# Altium PCB 4_layers_Testboard.PcbDoc (part 3 of 3)
Units mil, origin at the board's own origin, x right, y up, seen from the top; angles counter-clockwise.
Board outline 5500 x 5000 mil, 4 copper layers (Top layer, Inner Layer 1, Inner Layer 2, Bottom Layer), stack 13.956 mil thick; 137 components, 95 nets, 1379 pads, 755 vias.
Unrouted connection lines stored in the file: 363.
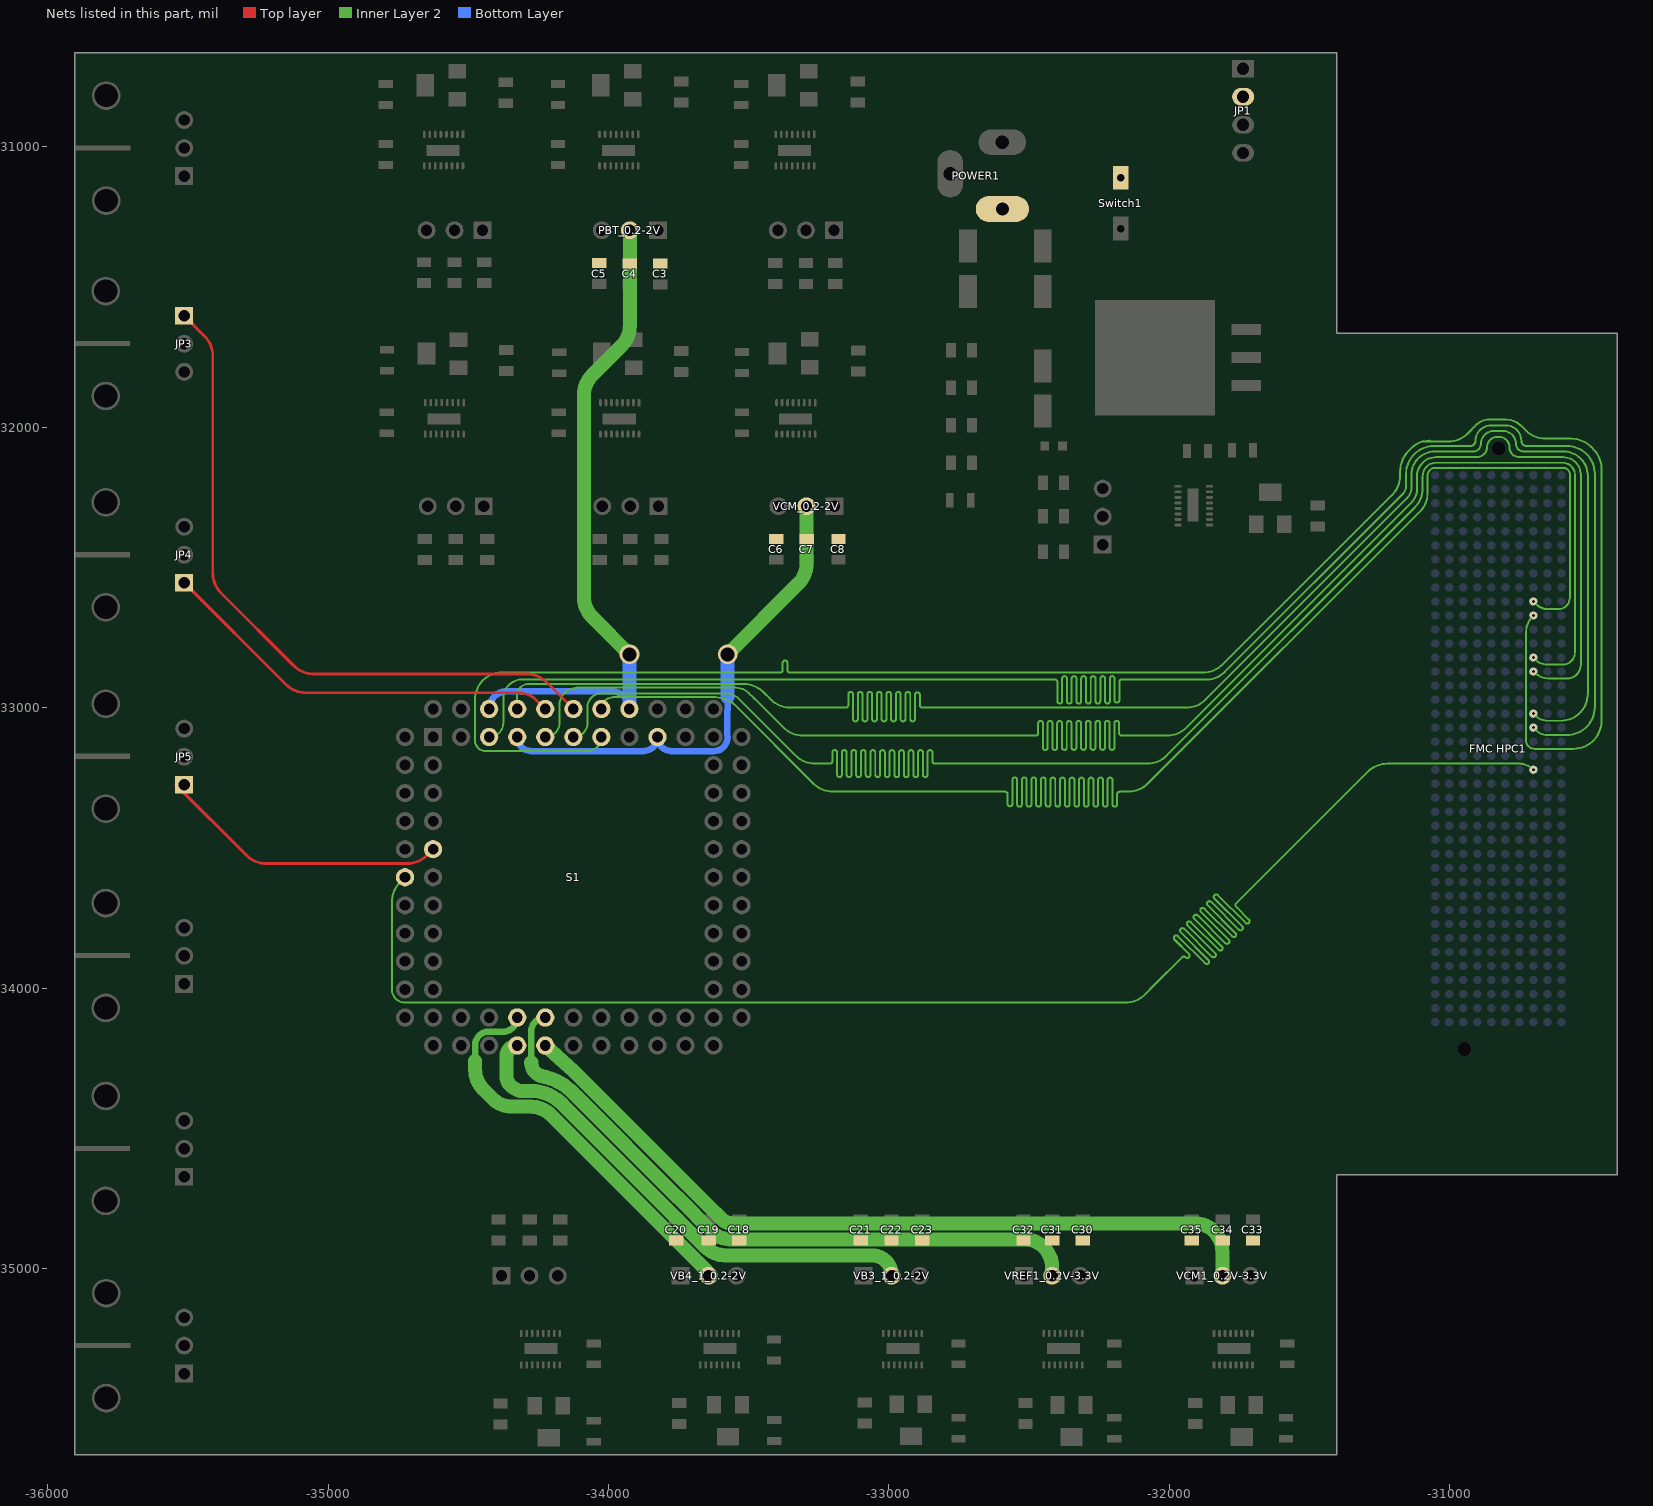
[diagram p5: the nets of this part, all layers, seen from the top]

## Via types
v1: diameter 25, hole 10, Top layer to Bottom Layer, 399 vias
v2: diameter 16, hole 8, Top layer to Bottom Layer, 336 vias
v3: diameter 70, hole 50, Top layer to Bottom Layer, 15 vias
v4: diameter 50, hole 35, Top layer to Bottom Layer, 2 vias
v5: diameter 32, hole 16, Top layer to Bottom Layer, 2 vias
v6: diameter 25, hole 10, Top layer to Bottom Layer, tented both sides, 1 vias

## Nets (pads, with @x,y where several pads share a name; then routed paths per layer and width w, separated by ;. In a path a pad name is that pad's centre, name@x,y a point inside that pad or via, vN(x,y) a via of type N, cw(c..) or ccw(c..) an arc to the next point about the centre after c; other vN are vias at no path point) (continued)
PBT0.2-2V: C3.2 C4.1 C5.2 PBT_0.2-2V.2 S1.39 S1.49 | length 2403.6
  Top layer w10: C3.2@-33816.94,-31415.2 cw(c-33816.94,-31417.94) C3.2@-33815,-31416
  Inner Layer 2 w50: v3(-33925,-32810) -34057.99,-32677.01 cw(c-33987.28,-32606.3) -34087.28,-32606.3 -34087.28,-31885.14 cw(c-33987.28,-31885.14) -34057.99,-31814.43 -33953.29,-31709.73 ccw(c-34024,-31639.02) -33924,-31639.02 PBT_0.2-2V.2@-33924,-31298
  Bottom Layer w23: S1.49@-34425.44,-33005 cw(c-34361.96,-33005) -34361.96,-32941.52 -34309,-32941.52 -33998.44,-32941.52 -33988.92,-32941.52 cw(c-33988.92,-33005) S1.39@-33925.44,-33005
  Bottom Layer w50: S1.39@-33925.44,-33005 v3@-33925.44,-32810
POWER: JP1.2 POWER1.1 Switch1.1
TIA_CIN0: "FMC HPC1.C11" S1.42 | length 6998.5
  Inner Layer 2 w7: S1.42@-34025.44,-33105 cw(c-34075.44,-33105) -34075.44,-33155 -34438.41,-33155 cw(c-34438.41,-33117.41) -34462.69,-33146.1 cw(c-34438.41,-33117.41) -34476,-33117.41 -34476,-32971 cw(c-34380,-32971) -34380,-32875 -33391,-32875 -33387.5,-32875 ccw(c-33387.5,-32866.5) -33379,-32866.5 -33379,-32840.5 cw(c-33370.5,-32840.5) -33362,-32840.5 -33362,-32866.5 ccw(c-33353.5,-32866.5) -33353.5,-32875 -33234,-32875 -31880.42,-32875 ccw(c-31880.42,-32775) -31809.71,-32845.71 -31206.29,-32242.29 ccw(c-31277,-32171.58) -31177,-32171.58 -31177,-32156.42 cw(c-31077,-32156.42) -31147.71,-32085.71 -31136,-32074 cw(c-31073.23,-32136.77) -31073.23,-32048 ; -31098,-32052 -31007.59,-32052 ccw(c-31007.59,-31952) -30950.17,-32033.87 ccw(c-31007.59,-31952) -30936.88,-32022.71 -30907.85,-31993.67 cw(c-30858,-32043.43) -30858,-31973 -30799.85,-31973 cw(c-30800.16,-32051.09) -30741.71,-31999.3 -30729.3,-32011.71 ccw(c-30658.59,-31941) -30658.59,-32041 -30567.16,-32041 cw(c-30567.16,-32141) -30496.45,-32070.29 -30484.96,-32081.78 cw(c-30559,-32149) -30459,-32149 -30459,-33047 cw(c-30559,-33047) -30559,-33147 -30698,-33147 cw(c-30698,-33117) -30728,-33117 -30728,-32731 cw(c-30647.15,-32731) -30704.32,-32673.83 v1(-30702,-32671.51)
TIA_CIN1: "FMC HPC1.C18" S1.47 | length 6973.1
  Inner Layer 2 w7: S1.47@-34325.44,-33005 -34325.44,-32956.26 cw(c-34285.18,-32956.26) -34285.18,-32916 -33517.98,-32916 cw(c-33517.98,-33016) -33468.01,-32929.38 cw(c-33517.98,-33016) -33461.3,-32933.61 cw(c-33517.98,-33016) -33451.52,-32941.28 cw(c-33517.98,-33016) -33447.27,-32945.29 -33421.85,-32970.71 ccw(c-33351.14,-32900) -33353.02,-32999.98 ccw(c-33351.14,-32900) -33351.14,-33000 -33157.02,-33000 -33153.52,-33000 ccw(c-33153.52,-32991.5) -33145.02,-32991.5 -33145.02,-32952.53 cw(c-33136.52,-32952.53) -33128.02,-32952.53 -33128.02,-33040.83 ccw(c-33119.52,-33040.83) -33111.02,-33040.83 -33111.02,-32952.53 cw(c-33102.52,-32952.53) -33094.02,-32952.53 -33094.02,-33040.83 ccw(c-33085.52,-33040.83) -33077.02,-33040.83 -33077.02,-32952.53 cw(c-33068.52,-32952.53) -33060.02,-32952.53 -33060.02,-33040.83 ccw(c-33051.52,-33040.83) -33043.02,-33040.83 -33043.02,-32952.53 cw(c-33034.52,-32952.53) -33026.02,-32952.53 -33026.02,-33040.83 ccw(c-33017.52,-33040.83) -33009.02,-33040.83 -33009.02,-32952.53 cw(c-33000.52,-32952.53) -32992.02,-32952.53 -32992.02,-33040.83 ccw(c-32983.52,-33040.83) -32975.02,-33040.83 -32975.02,-32952.53 cw(c-32966.52,-32952.53) -32958.02,-32952.53 -32958.02,-33040.83 ccw(c-32949.52,-33040.83) -32941.02,-33040.83 -32941.02,-32952.53 cw(c-32932.52,-32952.53) -32924.02,-32952.53 -32924.02,-33040.83 ccw(c-32915.52,-33040.83) -32907.02,-33040.83 -32907.02,-32954.05 cw(c-32898.52,-32954.05) -32890.02,-32954.05 -32890.02,-32991.5 ccw(c-32881.52,-32991.5) -32881.52,-33000 -32777.55,-33000 -31940.42,-33000 ccw(c-31940.42,-32900) -31869.71,-32970.71 -31153.26,-32254.26 ccw(c-31192.53,-32215) -31137,-32215 -31137,-32170 cw(c-31054,-32170) -31054,-32087 -30916.46,-32087 ccw(c-30916.46,-32059.94) -30889.93,-32065.31 ccw(c-30916.46,-32059.94) -30889.4,-32059.94 cw(c-30843.45,-32059.94) -30843.45,-32014 -30810,-32014 cw(c-30810,-32060) -30765.37,-32048.84 cw(c-30810,-32060) -30764,-32060 ccw(c-30737,-32060) -30737,-32087 -30594,-32087 cw(c-30594,-32173) -30508,-32173 -30508,-32951 cw(c-30604,-32951) -30604,-33047 -30651,-33047 cw(c-30651,-32985.41) -30694.55,-33028.96 v1(-30702,-33021.51)
TIA_CIN2: "FMC HPC1.C10" S1.41 | length 7015.4
  Inner Layer 2 w7: S1.41@-34025.44,-33005 cw(c-33983.44,-33005) -33983.44,-32963 -33618.42,-32963 cw(c-33618.42,-33063) -33547.71,-32992.29 -33269.29,-33270.71 ccw(c-33198.58,-33200) -33198.58,-33300 -32815,-33300 -32585.5,-33300 cw(c-32585.5,-33308.5) -32577,-33308.5 -32577,-33343.6 ccw(c-32568.5,-33343.6) -32560,-33343.6 -32560,-33257.97 cw(c-32551.5,-33257.97) -32543,-33257.97 -32543,-33344.99 ccw(c-32534.5,-33344.99) -32526,-33344.99 -32526,-33257.97 cw(c-32517.5,-33257.97) -32509,-33257.97 -32509,-33344.99 ccw(c-32500.5,-33344.99) -32492,-33344.99 -32492,-33257.97 cw(c-32483.5,-33257.97) -32475,-33257.97 -32475,-33344.99 ccw(c-32466.5,-33344.99) -32458,-33344.99 -32458,-33257.97 cw(c-32449.5,-33257.97) -32441,-33257.97 -32441,-33344.99 ccw(c-32432.5,-33344.99) -32424,-33344.99 -32424,-33257.97 cw(c-32415.5,-33257.97) -32407,-33257.97 -32407,-33344.99 ccw(c-32398.5,-33344.99) -32390,-33344.99 -32390,-33257.97 cw(c-32381.5,-33257.97) -32373,-33257.97 -32373,-33344.99 ccw(c-32364.5,-33344.99) -32356,-33344.99 -32356,-33257.97 cw(c-32347.5,-33257.97) -32339,-33257.97 -32339,-33344.99 ccw(c-32330.5,-33344.99) -32322,-33344.99 -32322,-33257.97 cw(c-32313.5,-33257.97) -32305,-33257.97 -32305,-33344.99 ccw(c-32296.5,-33344.99) -32288,-33344.99 -32288,-33257.97 cw(c-32279.5,-33257.97) -32271,-33257.97 -32271,-33344.99 ccw(c-32262.5,-33344.99) -32254,-33344.99 -32254,-33257.97 cw(c-32245.5,-33257.97) -32237,-33257.97 -32237,-33344.99 ccw(c-32228.5,-33344.99) -32220,-33344.99 -32220,-33257.97 cw(c-32211.5,-33257.97) -32203,-33257.97 -32203,-33344.99 ccw(c-32194.5,-33344.99) -32186,-33344.99 -32186,-33308.5 cw(c-32177.5,-33308.5) -32177.5,-33300 -32174,-33300 -32147.42,-33300 ccw(c-32147.42,-33200) -32076.71,-33270.71 -31105.46,-32299.46 ccw(c-31166.91,-32238) -31080,-32238 -31080,-32174 cw(c-31051,-32174) -31051,-32145 -30596,-32145 cw(c-30596,-32169) -30572,-32169 -30572,-32608 cw(c-30613,-32608) -30604.55,-32648.12 cw(c-30606.56,-32638.32) -30605.15,-32648.22 -30651.84,-32648.01 cw(c-30651.84,-32590.9) -30651.89,-32648.01 cw(c-30651.84,-32590.9) -30652.07,-32648.01 cw(c-30651.84,-32590.9) -30692.23,-32631.28 ; v1(-30702,-32621.51) -30692.23,-32631.28 ; -30655.85,-32648.33 cw(c-30655.85,-32601.65) -30688.86,-32634.66 -30692.23,-32631.28
TIA_CIN3: "FMC HPC1.C15" S1.46 | length 6969.6
  Inner Layer 2 w7: S1.46@-34225.44,-33105 ccw(c-34225.44,-33054.56) -34175,-33054.56 -34175,-32992 cw(c-34112,-32992) -34112,-32929 -33547,-32929 cw(c-33547,-32996.6) -33499.22,-32948.78 -33482.29,-32965.71 ccw(c-33411.58,-32895) -33473.11,-32973.83 -33376.23,-33070.71 ccw(c-33305.52,-33000) -33305.52,-33100 -32480,-33100 -32476.5,-33100 ccw(c-32476.5,-33091.5) -32468,-33091.5 -32468,-33056.14 cw(c-32459.5,-33056.14) -32451,-33056.14 -32451,-33142.61 ccw(c-32442.5,-33142.61) -32434,-33142.61 -32434,-33056.14 cw(c-32425.5,-33056.14) -32417,-33056.14 -32417,-33142.61 ccw(c-32408.5,-33142.61) -32400,-33142.61 -32400,-33056.14 cw(c-32391.5,-33056.14) -32383,-33056.14 -32383,-33142.61 ccw(c-32374.5,-33142.61) -32366,-33142.61 -32366,-33056.14 cw(c-32357.5,-33056.14) -32349,-33056.14 -32349,-33142.61 ccw(c-32340.5,-33142.61) -32332,-33142.61 -32332,-33056.14 cw(c-32323.5,-33056.14) -32315,-33056.14 -32315,-33142.61 ccw(c-32306.5,-33142.61) -32298,-33142.61 -32298,-33056.14 cw(c-32289.5,-33056.14) -32281,-33056.14 -32281,-33142.61 ccw(c-32272.5,-33142.61) -32264,-33142.61 -32264,-33056.14 cw(c-32255.5,-33056.14) -32247,-33056.14 -32247,-33142.61 ccw(c-32238.5,-33142.61) -32230,-33142.61 -32230,-33056.14 cw(c-32221.5,-33056.14) -32213,-33056.14 -32213,-33142.61 ccw(c-32204.5,-33142.61) -32196,-33142.61 -32196,-33056.14 cw(c-32187.5,-33056.14) -32179,-33056.14 -32179,-33091.5 ccw(c-32170.5,-33091.5) -32170.5,-33100 -32027.16,-33100 -32009.42,-33100 ccw(c-32009.42,-33000) -31938.71,-33070.71 -31137.51,-32269.51 ccw(c-31187.01,-32220) -31117,-32220 -31117,-32175 cw(c-31049,-32175) -31049,-32107 -30903,-32107 ccw(c-30903,-32071) -30867,-32071 cw(c-30831,-32071) -30831,-32035 -30824,-32035 cw(c-30824,-32072) -30787,-32072 ccw(c-30752,-32072) -30752,-32107 -30596,-32107 cw(c-30596,-32170) -30533,-32170 -30533,-32847 cw(c-30583,-32847) -30583,-32897 -30640.47,-32897 cw(c-30640.47,-32809.98) v1(-30702,-32871.51)
TIA_CIN4: "FMC HPC1.C19" S1.50 | length 6973.7
  Inner Layer 2 w7: S1.50@-34425.44,-33105 ccw(c-34425.44,-33054.56) -34375,-33054.56 -34375,-32967 cw(c-34308,-32967) -34308,-32900 -32428.39,-32900 -32407.89,-32900 cw(c-32407.89,-32908.5) -32399.39,-32908.5 -32399.39,-32976.85 ccw(c-32390.89,-32976.85) -32382.39,-32976.85 -32382.39,-32896.5 cw(c-32373.89,-32896.5) -32365.39,-32896.5 -32365.39,-32976.85 ccw(c-32356.89,-32976.85) -32348.39,-32976.85 -32348.39,-32896.5 cw(c-32339.89,-32896.5) -32331.39,-32896.5 -32331.39,-32976.85 ccw(c-32322.89,-32976.85) -32314.39,-32976.85 -32314.39,-32896.5 cw(c-32305.89,-32896.5) -32297.39,-32896.5 -32297.39,-32976.85 ccw(c-32288.89,-32976.85) -32280.39,-32976.85 -32280.39,-32896.5 cw(c-32271.89,-32896.5) -32263.39,-32896.5 -32263.39,-32976.85 ccw(c-32254.89,-32976.85) -32246.39,-32976.85 -32246.39,-32896.5 cw(c-32237.89,-32896.5) -32229.39,-32896.5 -32229.39,-32976.85 ccw(c-32220.89,-32976.85) -32212.39,-32976.85 -32212.39,-32896.5 cw(c-32203.89,-32896.5) -32195.39,-32896.5 -32195.39,-32973.78 ccw(c-32186.89,-32973.78) -32178.39,-32973.78 -32178.39,-32908.5 cw(c-32169.89,-32908.5) -32169.89,-32900 -32118.82,-32900 -31867.18,-32900 ccw(c-31867.18,-32807.82) -31802,-32873 -31168.73,-32239.73 ccw(c-31199.46,-32209) -31156,-32209 -31156,-32167 cw(c-31056,-32167) -31056,-32067 -30926,-32067 ccw(c-30926,-32050) -30909,-32050 cw(c-30853,-32050) -30853,-31994 -30800,-31994 cw(c-30800,-32049) -30745,-32049 ccw(c-30727,-32049) -30727,-32067 -30583,-32067 cw(c-30583,-32167) -30483,-32167 -30483,-32998 cw(c-30583,-32998) -30583,-33098 -30652,-33098 cw(c-30652,-33041.24) -30692.14,-33081.37 v1(-30702,-33071.51)
TIA_CIN5: "FMC HPC1.C14" S1.44 | length 7001.7
  Inner Layer 2 w7: S1.44@-34104.29,-33083.85 S1.44@-34125.44,-33105 ccw(c-34125.44,-33054.56) -34075,-33054.56 -34075,-32998.62 cw(c-34026.38,-32998.62) -34026.38,-32950 -33580,-32950 cw(c-33580,-33012.77) -33535.64,-32968.36 ; -33535.62,-32968.38 -33333.29,-33170.71 ccw(c-33262.58,-33100) -33262.58,-33200 -33213.83,-33200 -33210.33,-33200 ccw(c-33210.33,-33191.5) -33201.83,-33191.5 -33201.83,-33160.11 cw(c-33193.33,-33160.11) -33184.83,-33160.11 -33184.83,-33239.29 ccw(c-33176.33,-33239.29) -33167.83,-33239.29 -33167.83,-33160.11 cw(c-33159.33,-33160.11) -33150.83,-33160.11 -33150.83,-33239.29 ccw(c-33142.33,-33239.29) -33133.83,-33239.29 -33133.83,-33160.11 cw(c-33125.33,-33160.11) -33116.83,-33160.11 -33116.83,-33239.29 ccw(c-33108.33,-33239.29) -33099.83,-33239.29 -33099.83,-33160.11 cw(c-33091.33,-33160.11) -33082.83,-33160.11 -33082.83,-33239.29 ccw(c-33074.33,-33239.29) -33065.83,-33239.29 -33065.83,-33160.11 cw(c-33057.33,-33160.11) -33048.83,-33160.11 -33048.83,-33239.29 ccw(c-33040.33,-33239.29) -33031.83,-33239.29 -33031.83,-33160.11 cw(c-33023.33,-33160.11) -33014.83,-33160.11 -33014.83,-33239.29 ccw(c-33006.33,-33239.29) -32997.83,-33239.29 -32997.83,-33160.11 cw(c-32989.33,-33160.11) -32980.83,-33160.11 -32980.83,-33239.29 ccw(c-32972.33,-33239.29) -32963.83,-33239.29 -32963.83,-33160.11 cw(c-32955.33,-33160.11) -32946.83,-33160.11 -32946.83,-33239.29 ccw(c-32938.33,-33239.29) -32929.83,-33239.29 -32929.83,-33160.11 cw(c-32921.33,-33160.11) -32912.83,-33160.11 -32912.83,-33239.29 ccw(c-32904.33,-33239.29) -32895.83,-33239.29 -32895.83,-33160.11 cw(c-32887.33,-33160.11) -32878.83,-33160.11 -32878.83,-33239.29 ccw(c-32870.33,-33239.29) -32861.83,-33239.29 -32861.83,-33160.11 cw(c-32853.33,-33160.11) -32844.83,-33160.11 -32844.83,-33191.5 ccw(c-32836.33,-33191.5) -32836.33,-33200 -32763.94,-33200 -32079.42,-33200 ccw(c-32079.42,-33100) -32008.71,-33170.71 -31126.29,-32288.29 ccw(c-31197,-32217.58) -31097,-32217.58 -31097,-32175 cw(c-31049,-32175) -31049,-32127 -30597,-32127 cw(c-30597,-32170) -30554,-32170 -30554,-32803 cw(c-30598,-32803) -30597.92,-32847 -30597.98,-32847 cw(c-30597.94,-32837) -30598.13,-32847 -30656.99,-32846.19 cw(c-30656.99,-32797.11) -30658.33,-32846.17 cw(c-30656.99,-32797.11) -30691.67,-32831.84 ; v1(-30702,-32821.51) -30691.7,-32831.82
TIA_CIN6: "FMC HPC1.C22" S1.64 | length 6973.1
  Inner Layer 2 w7: S1.64@-34725.44,-33605 -34742.71,-33622.27 ccw(c-34672,-33692.98) -34772,-33692.98 -34772,-34006 ccw(c-34726,-34006) -34726,-34052 -32157.42,-34052 ccw(c-32157.42,-33952) -32086.71,-34022.71 -32054.99,-33990.99 -31954.38,-33890.38 cw(c-31948.37,-33896.39) -31942.36,-33890.38 ccw(c-31936.35,-33884.37) -31930.34,-33890.38 ccw(c-31936.35,-33884.37) -31930.34,-33878.36 -31981.7,-33827.01 cw(c-31975.69,-33820.99) -31981.7,-33814.98 cw(c-31975.69,-33820.99) -31969.68,-33814.98 -31872.63,-33912.03 ccw(c-31866.62,-33906.02) -31860.61,-33912.03 ccw(c-31866.62,-33906.02) -31860.61,-33900.01 -31959.66,-33800.96 cw(c-31953.65,-33794.95) -31959.66,-33788.94 cw(c-31953.65,-33794.95) -31947.64,-33788.94 -31848.59,-33887.99 ccw(c-31842.58,-33881.98) -31836.57,-33887.99 ccw(c-31842.58,-33881.98) -31836.57,-33875.97 -31935.62,-33776.92 cw(c-31929.61,-33770.91) -31935.62,-33764.9 cw(c-31929.61,-33770.91) -31923.6,-33764.9 -31824.55,-33863.95 ccw(c-31818.54,-33857.94) -31812.53,-33863.95 ccw(c-31818.54,-33857.94) -31812.53,-33851.93 -31911.58,-33752.88 cw(c-31905.57,-33746.87) -31911.58,-33740.85 cw(c-31905.57,-33746.87) -31899.56,-33740.85 -31800.51,-33839.91 ccw(c-31794.5,-33833.9) -31788.49,-33839.91 ccw(c-31794.5,-33833.9) -31788.49,-33827.89 -31887.54,-33728.83 cw(c-31881.53,-33722.82) -31887.54,-33716.81 cw(c-31881.53,-33722.82) -31875.52,-33716.81 -31776.47,-33815.87 ccw(c-31770.45,-33809.86) -31764.44,-33815.87 ccw(c-31770.45,-33809.86) -31764.44,-33803.84 -31863.5,-33704.79 cw(c-31857.49,-33698.78) -31863.5,-33692.77 cw(c-31857.49,-33698.78) -31851.48,-33692.77 -31752.42,-33791.82 ccw(c-31746.41,-33785.81) -31740.4,-33791.82 ccw(c-31746.41,-33785.81) -31740.4,-33779.8 -31839.45,-33680.75 cw(c-31833.44,-33674.74) -31839.45,-33668.73 cw(c-31833.44,-33674.74) -31827.43,-33668.73 -31728.38,-33767.78 ccw(c-31722.37,-33761.77) -31716.36,-33767.78 ccw(c-31722.37,-33761.77) -31716.36,-33755.76 -31762.05,-33710.07 cw(c-31756.04,-33704.06) -31762.05,-33698.05 -31759.58,-33695.58 -31293.29,-33229.29 cw(c-31222.58,-33300) -31222.58,-33200 -31183,-33200 -31052.13,-33199.51 ; -31052.08,-33199.51 cw(c-31052,-33221.51) -31052,-33199.51 -30752,-33199.51 cw(c-30752,-33221.51) -30747.94,-33199.89 cw(c-30752,-33221.51) -30745.54,-33200.48 cw(c-30753.93,-33273.45) v1(-30702,-33221.51)
TIA_VIN: JP3.1 S1.43 | length 2460.2
  Top layer w10: JP3.1@-35523,-31605 JP3.1@-35518,-31610 ; JP3.1@-35513,-31603 -35440.29,-31675.71 cw(c-35511,-31746.42) -35411,-31746.42 -35411,-32520.58 ccw(c-35311,-32520.58) -35381.71,-32591.29 -35122.29,-32850.71 ccw(c-35051.58,-32780) -35051.58,-32880 -34291.86,-32880 cw(c-34291.86,-32980) -34221.15,-32909.29 S1.43@-34125.44,-33005
TIA_VIP: JP4.1 S1.45 | length 1465.6
  Top layer w10: JP4.1@-35513,-32555 -35150.29,-32917.71 ccw(c-35079.58,-32847) -35079.58,-32947 -34322,-32947 cw(c-34322,-33040.1) -34256.17,-32974.27 S1.45@-34225.44,-33005
TIA_VOUT: JP5.1 S1.63 | length 1054.9
  Top layer w10: JP5.1@-35543,-33275 -35291.29,-33526.71 ccw(c-35220.58,-33456) -35220.58,-33556 -34717.86,-33556 ccw(c-34717.86,-33456) -34647.15,-33526.71 S1.63@-34625.44,-33505 cw(c-34636.15,-33505) S1.63@-34628.57,-33512.57
VB3_1: C21.2 C22.1 C23.2 S1.81 VB3_1_0.2-2V.2 | length 1807.8
  Inner Layer 2 w50: S1.81@-34325.44,-34205 ccw(c-34325.44,-34243.56) -34364,-34243.56 -34364,-34312.52 ccw(c-34313.57,-34312.52) -34334.58,-34358.36 ccw(c-34306.48,-34317) -34306.58,-34367 -34276.42,-34367 cw(c-34276.42,-34523) -34166.23,-34412.57 cw(c-34276.42,-34523) -34166.07,-34412.73 -34161.9,-34416.9 -33792.4,-34786.4 -33665.9,-34912.9 -33655.09,-34923.71 ccw(c-33584.38,-34853) -33584.38,-34953 -33060,-34953 cw(c-33060,-35022.61) -32990.39,-35022.61 VB3_1_0.2-2V.2@-32990.39,-35026
VB4_1: C18.2 C19.1 C20.2 S1.82 VB4_1_0.2-2V.2 | length 1455.9
  Inner Layer 2 w23: -34475.37,-34260.44 -34475.37,-34208.09 ccw(c-34498.37,-34208.16) -34475.39,-34207.22 cw(c-34425.44,-34205) -34475.15,-34199.64 ccw(c-34498.02,-34197.19) -34475.14,-34199.59 ccw(c-34498.02,-34197.19) -34475.14,-34199.5 cw(c-34426.06,-34204.3) -34472.98,-34189.13 cw(c-34426.06,-34204.3) -34472.77,-34188.52 cw(c-34426.06,-34204.3) -34439.23,-34156.79 cw(c-34426.06,-34204.3) -34437.6,-34156.36 ccw(c-34440.24,-34133.52) -34435.63,-34156.05 cw(c-34425.44,-34205) -34426.06,-34155 cw(c-34425.44,-34205) -34425.44,-34155 cw(c-34425.44,-34205) -34416.35,-34155.83 -34376.27,-34155.83 ccw(c-34376.27,-34105) S1.82@-34325.44,-34105
  Inner Layer 2 w50: -34475.37,-34260.44 -34475.37,-34291.05 ccw(c-34375.37,-34291.05) -34446.08,-34361.76 -34414.13,-34393.71 ccw(c-34343.42,-34323) -34343.42,-34423 -34276.42,-34423 cw(c-34276.42,-34523) -34205.71,-34452.29 -33650.78,-35007.22 cw(c-33669.56,-35026) VB4_1_0.2-2V.2@-33643,-35026 VB4_1_0.2-2V.2@-33643,-35017.42
VCM0.2-2V: C6.2 C7.2 C8.2 S1.38 S1.48 VCM_0.2-2V.2 | length 1808.7
  Inner Layer 2 w50: v3(-33575,-32810) -33323.29,-32558.29 ccw(c-33394,-32487.58) -33302.97,-32528.97 ccw(c-33394,-32487.58) -33294,-32487.58 VCM_0.2-2V.2@-33294,-32282
  Bottom Layer w23: S1.48@-34325.44,-33105 ccw(c-34275.44,-33105) -34275.44,-33155 -34226,-33155 -33951,-33155 -33875.44,-33155 ccw(c-33875.44,-33105) S1.38@-33825.44,-33105 ccw(c-33775.44,-33105) -33775.44,-33155 -33624,-33155 ccw(c-33624,-33107) -33578.33,-33121.78 cw(c-33556.47,-33128.94) -33578.22,-33121.45 ccw(c-33625.44,-33105) -33575.83,-33098.75 cw(c-33553,-33095.96) -33576,-33096.03 -33576,-33013.97 cw(c-33553,-33014.04) -33575.83,-33011.25 ccw(c-33625.44,-33005) -33575.48,-33002.89 -33575.48,-32962.1
  Bottom Layer w50: -33575.48,-32962.1 v3@-33575.48,-32801
VCM1_0.2V-3.3V: C33.2 C34.1 C35.2 S1.83 VCM1_0.2V-3.3V.2 | length 2816.2
  Inner Layer 2 w50: S1.83@-34225.44,-34205 -34123.21,-34297.21 -34105.71,-34314.71 -33713.27,-34707.14 cw(c-33752.86,-34746.75) -33713.13,-34707.28 -33647.21,-34773.21 -33596.07,-34824.34 ccw(c-33560.7,-34789) -33560.7,-34839 -31911.02,-34839 cw(c-31911.02,-34939) -31811.02,-34939 VCM1_0.2V-3.3V.2@-31811.02,-35026
VREF1_0.2V-3.3V: C30.2 C31.1 C32.2 S1.84 VREF1_0.2V-3.3V.2 | length 2410.5
  Inner Layer 2 w23: -34275.44,-34265.69 -34275.44,-34155 cw(c-34225.44,-34155) S1.84@-34225.44,-34105 S1.84@-34238.97,-34118.54
  Inner Layer 2 w50: -34275.44,-34265.69 ccw(c-34225.44,-34265.69) -34251.43,-34308.4 ccw(c-34225.44,-34265.69) -34240.21,-34313.46 ccw(c-34225.44,-34265.69) -34236.78,-34314.39 -34227.65,-34316.51 cw(c-34238.99,-34365.21) -34222.92,-34317.86 cw(c-34276.42,-34523) -34126.72,-34372.89 cw(c-34276.42,-34523) -34126.37,-34373.24 -34122.3,-34377.3 cw(c-34161.9,-34416.9) -34122.26,-34377.35 -34113.8,-34385.8 -33753.3,-34746.3 -33752.86,-34746.75 ccw(c-33717.34,-34711.56) -33752.8,-34746.81 -33624.9,-34874.71 ccw(c-33589.62,-34839.28) -33614.76,-34882.5 ccw(c-33564.58,-34796) -33564.58,-34896 -32518.1,-34896 cw(c-32518.1,-34996) -32418.1,-34996 VREF1_0.2V-3.3V.2@-32418.1,-35026
pads on no net: 1.1 1.2 1.8 1.15 1.16 2.1 2.2 2.8 2.15 2.16 3.1 3.2 3.8 3.15 3.16 4_VOUT_0.2-2V1.1 4_VOUT_0.2-2V1.2 4_VOUT_0.2-2V1.8 4_VOUT_0.2-2V1.15 4_VOUT_0.2-2V1.16 4_VOUT_0.2-2V2.1 4_VOUT_0.2-2V2.2 4_VOUT_0.2-2V2.8 4_VOUT_0.2-2V2.15 4_VOUT_0.2-2V2.16 4_VOUT_0.2-2V3.1 4_VOUT_0.2-2V3.2 4_VOUT_0.2-2V3.8 4_VOUT_0.2-2V3.15 4_VOUT_0.2-2V3.16 4_VOUT_0.2-2V4.1 4_VOUT_0.2-2V4.2 4_VOUT_0.2-2V4.8 4_VOUT_0.2-2V4.15 4_VOUT_0.2-2V4.16 4_VOUT_0.2-2V5.1 4_VOUT_0.2-2V5.2 4_VOUT_0.2-2V5.8 4_VOUT_0.2-2V5.15 4_VOUT_0.2-2V5.16 4_VOUT_0.2-2V6.1 4_VOUT_0.2-2V6.2 4_VOUT_0.2-2V6.8 4_VOUT_0.2-2V6.15 4_VOUT_0.2-2V6.16 4_VOUT_0.2-2V7.1 4_VOUT_0.2-2V7.2 4_VOUT_0.2-2V7.8 4_VOUT_0.2-2V7.15 4_VOUT_0.2-2V7.16 5_VOUT_0.2V-3.3V1.1 5_VOUT_0.2V-3.3V1.2 5_VOUT_0.2V-3.3V1.8 5_VOUT_0.2V-3.3V1.15 5_VOUT_0.2V-3.3V1.16 5_VOUT_0.2V-3.3V2.1 5_VOUT_0.2V-3.3V2.2 5_VOUT_0.2V-3.3V2.8 5_VOUT_0.2V-3.3V2.15 5_VOUT_0.2V-3.3V2.16 "FMC HPC1." "FMC HPC1.A2" "FMC HPC1.A3" "FMC HPC1.A6" "FMC HPC1.A7" "FMC HPC1.A10" "FMC HPC1.A11" "FMC HPC1.A14" "FMC HPC1.A15" "FMC HPC1.A18" "FMC HPC1.A19" "FMC HPC1.A22" "FMC HPC1.A23" "FMC HPC1.A26" "FMC HPC1.A27" "FMC HPC1.A30" "FMC HPC1.A31" "FMC HPC1.A34" "FMC HPC1.A35" "FMC HPC1.A38" "FMC HPC1.A39" "FMC HPC1.B1" "FMC HPC1.B4" "FMC HPC1.B5" "FMC HPC1.B8" "FMC HPC1.B9" "FMC HPC1.B12" "FMC HPC1.B13" "FMC HPC1.B16" "FMC HPC1.B17" "FMC HPC1.B20" "FMC HPC1.B21" "FMC HPC1.B24" "FMC HPC1.B25" "FMC HPC1.B28" "FMC HPC1.B29" "FMC HPC1.B32" "FMC HPC1.B33" "FMC HPC1.B36" "FMC HPC1.B37" "FMC HPC1.B40" "FMC HPC1.C2" "FMC HPC1.C3" "FMC HPC1.C6" "FMC HPC1.C7" "FMC HPC1.C23" "FMC HPC1.C26" "FMC HPC1.C27" "FMC HPC1.C30" "FMC HPC1.C31" "FMC HPC1.C34" "FMC HPC1.C35" "FMC HPC1.C37" "FMC HPC1.C39" "FMC HPC1.D1" "FMC HPC1.D4" "FMC HPC1.D5" "FMC HPC1.D15" "FMC HPC1.D17" "FMC HPC1.D18" "FMC HPC1.D20" "FMC HPC1.D21" "FMC HPC1.D23" "FMC HPC1.D24" "FMC HPC1.D26" "FMC HPC1.D27" "FMC HPC1.D29" "FMC HPC1.D30" "FMC HPC1.D31" "FMC HPC1.D32" "FMC HPC1.D33" "FMC HPC1.D34" "FMC HPC1.D35" "FMC HPC1.D36" "FMC HPC1.D38" "FMC HPC1.D40" "FMC HPC1.E9" "FMC HPC1.E10" "FMC HPC1.E12" "FMC HPC1.E13" "FMC HPC1.E15" "FMC HPC1.E16" "FMC HPC1.E18" "FMC HPC1.E19" "FMC HPC1.E21" "FMC HPC1.E22" "FMC HPC1.E24" "FMC HPC1.E25" "FMC HPC1.E27" "FMC HPC1.E28" "FMC HPC1.E30" "FMC HPC1.E31" "FMC HPC1.E33" "FMC HPC1.E34" "FMC HPC1.E36" "FMC HPC1.E37" "FMC HPC1.E39" "FMC HPC1.F1" "FMC HPC1.F22" "FMC HPC1.F23" "FMC HPC1.F25" "FMC HPC1.F26" "FMC HPC1.F28" "FMC HPC1.F29" "FMC HPC1.F31" "FMC HPC1.F32" "FMC HPC1.F34" "FMC HPC1.F35" "FMC HPC1.F37" "FMC HPC1.F38" "FMC HPC1.F40" "FMC HPC1.G2" "FMC HPC1.G3" "FMC HPC1.G6" "FMC HPC1.G7" "FMC HPC1.G9" "FMC HPC1.G10" "FMC HPC1.G12" "FMC HPC1.G13" "FMC HPC1.G15" "FMC HPC1.G16" "FMC HPC1.G18" "FMC HPC1.G19" "FMC HPC1.G21" "FMC HPC1.G22" "FMC HPC1.G24" "FMC HPC1.G25" "FMC HPC1.G27" "FMC HPC1.G28" "FMC HPC1.G30" "FMC HPC1.G31" "FMC HPC1.G33" "FMC HPC1.G34" "FMC HPC1.G36" "FMC HPC1.G37" "FMC HPC1.G39" "FMC HPC1.H1" "FMC HPC1.H2" "FMC HPC1.H4" "FMC HPC1.H5" "FMC HPC1.H7" "FMC HPC1.H8" "FMC HPC1.H10" "FMC HPC1.H11" "FMC HPC1.H13" "FMC HPC1.H14" "FMC HPC1.H16" "FMC HPC1.H17" "FMC HPC1.H19" "FMC HPC1.H20" "FMC HPC1.H22" "FMC HPC1.H23" "FMC HPC1.H25" "FMC HPC1.H26" "FMC HPC1.H28" "FMC HPC1.H29" "FMC HPC1.H31" "FMC HPC1.H32" "FMC HPC1.H34" "FMC HPC1.H35" "FMC HPC1.H37" "FMC HPC1.H38" "FMC HPC1.H40" "FMC HPC1.J2" "FMC HPC1.J3" "FMC HPC1.J6" "FMC HPC1.J7" "FMC HPC1.J9" "FMC HPC1.J10" "FMC HPC1.J12" "FMC HPC1.J13" "FMC HPC1.J15" "FMC HPC1.J16" "FMC HPC1.J18" "FMC HPC1.J19" "FMC HPC1.J21" "FMC HPC1.J22" "FMC HPC1.J24" "FMC HPC1.J25" "FMC HPC1.J27" "FMC HPC1.J28" "FMC HPC1.J30" "FMC HPC1.J31" "FMC HPC1.J33" "FMC HPC1.J34" "FMC HPC1.J36" "FMC HPC1.J37" "FMC HPC1.J39" "FMC HPC1.K1" "FMC HPC1.K2" "FMC HPC1.K4" "FMC HPC1.K5" "FMC HPC1.K7" "FMC HPC1.K8" "FMC HPC1.K10" "FMC HPC1.K11" "FMC HPC1.K13" "FMC HPC1.K14" "FMC HPC1.K16" "FMC HPC1.K17" "FMC HPC1.K19" "FMC HPC1.K20" "FMC HPC1.K22" "FMC HPC1.K23" "FMC HPC1.K25" "FMC HPC1.K26" "FMC HPC1.K28" "FMC HPC1.K29" "FMC HPC1.K31" "FMC HPC1.K32" "FMC HPC1.K34" "FMC HPC1.K35" "FMC HPC1.K37" "FMC HPC1.K38" "FMC HPC1.K40" C1.2 C2.2 JP1.1 S1.3 S1.4 S1.5 S1.6 S1.7 S1.8 S1.9 S1.10 S1.11 S1.12 S1.13 S1.14 S1.25 S1.31 S1.33 S1.34 S1.51 S1.52 S1.53 S1.54 S1.55 S1.72 S1.73 S1.74 S1.75
copper on no net: | length 93.4
  Bottom Layer w23: -34865,-35310 -34840,-35220
  other v1: -31052,-34121.51 -31052,-34021.51 -31052,-33971.51 -31052,-33821.51 -31002,-33771.51 -30902,-33771.51 -30802,-33771.51 -30752,-33771.51 -30652,-33771.51 -31052,-33721.51 -30952,-33721.51 -30852,-33721.51 -30752,-33721.51 -30652,-33721.51 -31052,-33671.51 -31002,-33671.51 -30952,-33671.51 -30902,-33671.51 -30852,-33671.51 -30802,-33671.51 -30752,-33671.51 -30702,-33671.51 -30602,-33671.51 -31002,-33621.51 -30902,-33621.51 -30802,-33621.51 -30752,-33621.51 -30702,-33621.51 -30602,-33621.51 -31052,-33571.51 -30952,-33571.51 -30852,-33571.51 -30752,-33571.51 -30652,-33571.51 -31052,-33521.51 -31002,-33521.51 -30952,-33521.51 -30902,-33521.51 -30852,-33521.51 -30802,-33521.51 -30652,-33521.51 -31002,-33471.51 -30902,-33471.51 -30802,-33471.51 -30752,-33471.51 -30702,-33471.51 -30602,-33471.51 -31052,-33421.51 -30952,-33421.51 -30852,-33421.51 -30752,-33421.51 -30702,-33421.51 -30602,-33421.51 -31052,-33371.51 -31002,-33371.51 -30952,-33371.51 -30902,-33371.51 -30852,-33371.51 -30802,-33371.51 -30652,-33371.51 -31002,-33321.51 -30902,-33321.51 -30802,-33321.51 -30752,-33321.51 -30652,-33321.51 -31052,-33271.51 -30952,-33271.51 -30852,-33271.51 -30752,-33271.51 -30702,-33271.51 -30602,-33271.51 -31052,-33221.51 -31002,-33221.51 -30952,-33221.51 -30902,-33221.51 -30852,-33221.51 -30802,-33221.51 -30602,-33221.51 -31002,-33171.51 -30902,-33171.51 -30802,-33171.51 -30752,-33171.51 -30652,-33171.51 -31052,-33121.51 -30952,-33121.51 -30752,-33121.51 -30652,-33121.51 -31052,-33071.51 -31002,-33071.51 -30952,-33071.51 -30902,-33071.51 -30802,-33071.51 -30602,-33071.51 -31002,-33021.51 -30902,-33021.51 -30802,-33021.51 -30752,-33021.51 -30602,-33021.51 -31052,-32971.51 -30952,-32971.51 -30752,-32971.51 -30652,-32971.51 -31052,-32921.51 -31002,-32921.51 -30952,-32921.51 -30902,-32921.51 -30802,-32921.51 -30652,-32921.51 -31002,-32871.51 -30902,-32871.51 -30802,-32871.51 -30752,-32871.51 -30602,-32871.51 -31052,-32821.51 -30952,-32821.51 -30602,-32821.51 -31052,-32771.51 -31002,-32771.51 -30952,-32771.51 -30902,-32771.51 -30802,-32771.51 -30652,-32771.51 -31002,-32721.51 -30902,-32721.51 -30802,-32721.51 -30652,-32721.51 -31052,-32671.51 -30952,-32671.51 -30602,-32671.51 -31052,-32621.51 -31002,-32621.51 -30952,-32621.51 -30902,-32621.51 -30802,-32621.51 -30602,-32621.51 -31002,-32571.51 -30902,-32571.51 -30802,-32571.51 -30652,-32571.51 -31052,-32521.51 -30952,-32521.51 -30652,-32521.51 -31052,-32471.51 -31002,-32471.51 -30952,-32471.51 -30902,-32471.51 -30702,-32471.51 -30602,-32471.51 -31002,-32421.51 -30902,-32421.51 -30702,-32421.51 -30602,-32421.51 -31052,-32371.51 -30952,-32371.51 -30752,-32371.51 -30652,-32371.51 -31052,-32321.51 -30952,-32321.51 -30752,-32321.51 -30652,-32321.51 -31002,-32271.51 -30902,-32271.51 -30702,-32271.51 -30602,-32271.51 -31052,-32221.51 -31002,-32221.51 -30952,-32221.51 -30902,-32221.51 -30702,-32221.51 -30602,-32221.51 -31052,-32171.51 -30952,-32171.51 -30852,-32171.51 -30752,-32171.51 -30652,-32171.51
  other v2: -33550,-34500 -33500,-34500 -33450,-34500 -33400,-34500 -33350,-34500 -33300,-34500 -33250,-34500 -33200,-34500 -33150,-34500 -33100,-34500 -33050,-34500 -33000,-34500 -32950,-34500 -32900,-34500 -32850,-34500 -32800,-34500 -32750,-34500 -32700,-34500 -32650,-34500 -32600,-34500 -32550,-34500 -32500,-34500 -32450,-34500 -32400,-34500 -32350,-34500 -32300,-34500 -32250,-34500 -32200,-34500 -32150,-34500 -32100,-34500 -32050,-34500 -32000,-34500 -31950,-34500 -31900,-34500 -31850,-34500 -31800,-34500 -31750,-34500 -31700,-34500 -31650,-34500 -31600,-34500 -31550,-34500 -31500,-34500 -31450,-34500 -31400,-34500 -31350,-34500 -31300,-34500 -31250,-34500 -31200,-34500 -31150,-34500 -31100,-34500 -31050,-34500 -31000,-34500 -30950,-34500 -30900,-34500 -30850,-34500 -30800,-34500 -30750,-34500 -30700,-34500 -30650,-34500 -30600,-34500 -30550,-34500 -33575,-34475 -33525,-34475 -33475,-34475 -33425,-34475 -33375,-34475 -33325,-34475 -33275,-34475 -33225,-34475 -33175,-34475 -33125,-34475 -33075,-34475 -33025,-34475 -32975,-34475 -32925,-34475 -32875,-34475 -32825,-34475 -32775,-34475 -32725,-34475 -32675,-34475 -32625,-34475 -32575,-34475 -32525,-34475 -32475,-34475 -32425,-34475 -32375,-34475 -32325,-34475 -32275,-34475 -32225,-34475 -32175,-34475 -32125,-34475 -32075,-34475 -32025,-34475 -31975,-34475 -31925,-34475 -31875,-34475 -31825,-34475 -31775,-34475 -31725,-34475 -31675,-34475 -31625,-34475 -31575,-34475 -31525,-34475 -31475,-34475 -31425,-34475 -31375,-34475 -31325,-34475 -31275,-34475 -31225,-34475 -31175,-34475 -31125,-34475 -31075,-34475 -31025,-34475 -30975,-34475 -30925,-34475 -30875,-34475 -30825,-34475 -30775,-34475 -30725,-34475 -30675,-34475 -30625,-34475 -30575,-34475 -30525,-34475 -33550,-34450 -33500,-34450 -33450,-34450 -33400,-34450 -33350,-34450 -33300,-34450 -33250,-34450 -33200,-34450 -33150,-34450 -33100,-34450 -33050,-34450 -33000,-34450 -32950,-34450 -32900,-34450 -32850,-34450 -32800,-34450 -32750,-34450 -32700,-34450 -32650,-34450 -32600,-34450 -32550,-34450 -32500,-34450 -32450,-34450 -32400,-34450 -32350,-34450 -32300,-34450 -32250,-34450 -32200,-34450 -32150,-34450 -32100,-34450 -32050,-34450 -32000,-34450 -31950,-34450 -31900,-34450 -31850,-34450 -31800,-34450 -31750,-34450 -31700,-34450 -31650,-34450 -31600,-34450 -31550,-34450 -31500,-34450 -31450,-34450 -31400,-34450 -31350,-34450 -31300,-34450 -31250,-34450 -31200,-34450 -31150,-34450 -31100,-34450 -31050,-34450 -31000,-34450 -30950,-34450 -30900,-34450 -30850,-34450 -30800,-34450 -30750,-34450 -30700,-34450 -30650,-34450 -30600,-34450 -30550,-34450 -33450,-32800 -33400,-32800 -33350,-32800 -33300,-32800 -33250,-32800 -33200,-32800 -33150,-32800 -33100,-32800 -33050,-32800 -33000,-32800 -32950,-32800 -32900,-32800 -32850,-32800 -32800,-32800 -32750,-32800 -32700,-32800 -32650,-32800 -32600,-32800 -32550,-32800 -32500,-32800 -32450,-32800 -32400,-32800 -32350,-32800 -32300,-32800 -32250,-32800 -32200,-32800 -32150,-32800 -32100,-32800 -32050,-32800 -32000,-32800 -31950,-32800 -31900,-32800 -31850,-32800 -31800,-32800 -33475,-32775 -33425,-32775 -33375,-32775 -33325,-32775 -33275,-32775 -33225,-32775 -33175,-32775 -33125,-32775 -33075,-32775 -33025,-32775 -32975,-32775 -32925,-32775 -32875,-32775 -32825,-32775 -32775,-32775 -32725,-32775 -32675,-32775 -32625,-32775 -32575,-32775 -32525,-32775 -32475,-32775 -32425,-32775 -32375,-32775 -32325,-32775 -32275,-32775 -32225,-32775 -32175,-32775 -32125,-32775 -32075,-32775 -32025,-32775 -31975,-32775 -31925,-32775 -31875,-32775 -31825,-32775 -31775,-32775 -31775,-32750 -31750,-32750 -31750,-32725 -31725,-32725 -31725,-32700 -31700,-32700 -31700,-32675 -31675,-32675 -31675,-32650 -31650,-32650 -31650,-32625 -31625,-32625 -31625,-32600 -31600,-32600 -31600,-32575 -31575,-32575 -31575,-32550 -31550,-32550 -31550,-32525 -31525,-32525 -31525,-32500 -31500,-32500 -31500,-32475 -31475,-32475 -31475,-32450 -31450,-32450 -31450,-32425 -31425,-32425 -31425,-32400 -31400,-32400 -31400,-32375 -31375,-32375 -31375,-32350 -31350,-32350 -31350,-32325 -31325,-32325 -31325,-32300 -31300,-32300 -31300,-32275 -31275,-32275 -31275,-32250 -31250,-32250 -31300,-32225 -31250,-32225 -31275,-32200 -31300,-32175 -31250,-32175 -31275,-32150 -31300,-32125 -31250,-32125 -31275,-32100 -31300,-32075 -31250,-32075 -31275,-32050 -31300,-32025 -31250,-32025 -31275,-32000 -31300,-31975 -31250,-31975 -31275,-31950 -31300,-31925 -31250,-31925 -31275,-31900 -31300,-31875 -31250,-31875 -31275,-31850 -31300,-31825 -31250,-31825 -31300,-31685 -31250,-31685
  other v6: -31052,-33871.51

## Polygon pours and split planes (outlines as drawn)
GND on Top layer "NONET_L01_P001" (solid, remove dead copper, shelved, pour order 1): -31350,-32250 -31350,-32325 -31425,-32325 -31425,-32400 -31500,-32400 -31500,-32475 -31575,-32475 -31575,-32550 -31650,-32550 -31650,-32625 -31725,-32625 -31725,-32700 -31800,-32700 -31800,-32775 -31875,-32775 -31875,-32825 -33400,-32825 -33400,-34455 -33371.41,-34455 cw(c-33371.41,-34458.41) -33369,-34456 -30403,-34456 -30403,-34665 -31403,-34665 -31403,-35665 -35903,-35665 -35903,-30665 -31403,-30665 -31403,-31665 -30403,-31665 -30403,-34456 -31119,-34456 -31119,-32250

## Other copper
Top layer:
  region net 12-5V_regulator: -31518,-35152 -31518,-34518 -31618,-34518 -31618,-35152
  region net 12-5V_regulator: -31518,-35102 -31807,-35102 -31807,-35152 -31518,-35152
  rectangle net 12-5V_regulator: -31618,-34618 -30407,-34518
  rectangle net 12-5V_regulator: -31780,-31807 -30404,-31707
  region net 12-5V_regulator: -30404,-31707 -30504,-31707 -30504,-34618 -30404,-34618
  rectangle net 12-5V_regulator: -34600,-32133 -34550,-32012
  region net Net4_VOUT_0.2-2V5_3: -34583,-30890 -34583,-30970 -34553,-30970 -34553,-30890
  region net Net4_VOUT_0.2-2V5_3: -34443,-30890 -34583,-30890 -34583,-30920 -34443,-30920
  region net Net4_VOUT_0.2-2V5_3: -34443,-30890 -34583,-30890 -34583,-30920 -34443,-30920
  region net Net4_VOUT_0.2-2V5_3: -34443,-30720 -34543,-30720 -34543,-30750 -34443,-30750
  rectangle net 12-5V_regulator: -34603,-31178 -34553,-31055
  rectangle net 12-5V_regulator: -33978,-31178 -33928,-31055
  region net Net4_VOUT_0.2-2V7_3: -33818,-30889 -33958,-30889 -33958,-30919 -33818,-30919
  region net Net4_VOUT_0.2-2V7_3: -33818,-30719 -33918,-30719 -33918,-30749 -33818,-30749
  region net Net4_VOUT_0.2-2V7_3: -33958,-30889 -33958,-30969 -33928,-30969 -33928,-30889
  region net Net4_VOUT_0.2-2V3_3: -33190,-30889 -33330,-30889 -33330,-30919 -33190,-30919
  region net Net4_VOUT_0.2-2V3_3: -33190,-30719 -33290,-30719 -33290,-30749 -33190,-30749
  region net Net4_VOUT_0.2-2V3_3: -33330,-30889 -33330,-30969 -33300,-30969 -33300,-30889
  rectangle net 12-5V_regulator: -33350,-31177 -33300,-31055
  region net Net4_VOUT_0.2-2V5_3: -34424,-30720 -34474,-30720 -34474,-31319 -34424,-31319
  rectangle net 12-5V_regulator: -31807,-35245 -31756,-35102
  rectangle net 12-5V_regulator: -32414,-35245 -32364,-35143
  rectangle net 12-5V_regulator: -32986,-35246 -32936,-35144
  region net 12-5V_regulator: -32751,-35194 -32751,-35144 -32986,-35144 -32986,-35194
  rectangle net 12-5V_regulator: -33640,-35245 -33589,-35144
  rectangle net 12-5V_regulator: -34279,-35245 -34228,-35143
  region net Net1_3: -31788,-32398 -32259,-32398 -32259,-32440 -31788,-32440
  region net Net1_3: -31605,-32323 -31605,-32432 -31575,-32432 -31575,-32323
  region net Net1_3: -31575,-32398 -31797,-32398 -31797,-32440 -31575,-32440
  region net Net1_3: -31770,-32433 -31770,-32285 -31800,-32285 -31800,-32433
  rectangle net Net1_3: -31870,-32315 -31770,-32285
  region net 12-5V_regulator: -32036,-32315 -32036,-31925 -32136,-31925 -32136,-32315
  rectangle net 12-5V_regulator: -32103,-32315 -31956,-32265
  rectangle net 12-5V_regulator: -33347,-32137 -33297,-32012
  rectangle net 12-5V_regulator: -33975,-32134 -33925,-32012
  region net 12-5V_regulator: -31669,-31807 -31669,-31707 -32151,-31707 -32151,-31807
  region net POWER: -31683,-30874 -31683,-30774 -32239,-30774 -32239,-30874
  rectangle net POWER: -32239,-31161 -32139,-30783
  region net Net4_VOUT_0.2-2V4_3: -33796,-31676 -33846,-31676 -33846,-32304 -33796,-32304
  region net Net3_3: -34420,-31676 -34470,-31676 -34470,-32307 -34420,-32307
  region net Net4_VOUT_0.2-2V6_3: -33168,-31676 -33218,-31676 -33218,-32304 -33168,-32304
  region net Net4_VOUT_0.2-2V3_3: -33171,-30719 -33221,-30719 -33221,-31318 -33171,-31318
  region net Net4_VOUT_0.2-2V7_3: -33800,-30719 -33850,-30719 -33850,-31318 -33800,-31318
  region net Net3_3: -34440,-31676 -34540,-31676 -34540,-31706 -34440,-31706
  region net Net4_VOUT_0.2-2V4_3: -33815,-31676 -33915,-31676 -33915,-31706 -33815,-31706
  region net Net4_VOUT_0.2-2V6_3: -33187,-31676 -33287,-31676 -33287,-31706 -33187,-31706
  region net Net4_VOUT_0.2-2V6_3: -33187,-31846 -33327,-31846 -33327,-31876 -33187,-31876
  region net Net4_VOUT_0.2-2V4_3: -33815,-31846 -33955,-31846 -33955,-31876 -33815,-31876
  region net Net3_3: -34440,-31846 -34580,-31846 -34580,-31876 -34440,-31876
  region net Net3_3: -34580,-31846 -34580,-31926 -34550,-31926 -34550,-31846
  region net Net4_VOUT_0.2-2V4_3: -33955,-31846 -33955,-31926 -33925,-31926 -33925,-31846
  region net Net4_VOUT_0.2-2V6_3: -33327,-31846 -33327,-31926 -33297,-31926 -33297,-31846
  rectangle net Net4_VOUT_0.2-2V1_3: -32986,-35488 -32956,-35331
  region net Net4_VOUT_0.2-2V1_3: -32958,-35441 -32958,-35395 -33114,-35395 -33114,-35441
  rectangle net Net2_3: -34277,-35488 -34247,-35331
  region net Net5_VOUT_0.2V-3.3V1_3: -31778.51,-35445.53 -31778.51,-35399.53 -31934.51,-35399.53 -31934.51,-35445.53
  region net Net5_VOUT_0.2V-3.3V2_3: -32386,-35442 -32386,-35396 -32542,-35396 -32542,-35442
  rectangle net Net5_VOUT_0.2V-3.3V2_3: -32414,-35488 -32384,-35331
  rectangle net Net5_VOUT_0.2V-3.3V1_3: -31807,-35488 -31777,-35331
  rectangle net Net4_VOUT_0.2-2V2_3: -33639,-35488 -33609,-35331
  region net Net4_VOUT_0.2-2V2_3: -33610,-35442 -33610,-35396 -33766,-35396 -33766,-35442
  region net Net2_3: -34247,-35443 -34247,-35397 -34403,-35397 -34403,-35443
  region net 12V: -31676,-31243 -31776,-31243 -31776,-31669 -31676,-31669
  region net 12V: -31682,-31343 -31682,-31243 -32209,-31243 -32209,-31343
  region net 12-5V_regulator: -32168,-31830 -32168,-31730 -32565,-31730 -32565,-31830
  region net POWER: -32139,-31161 -32139,-31061 -32621,-31061 -32621,-31161
  rectangle net POWER: -32644,-31241 -32544,-31061
  rectangle net VCM1_0.2V-3.3V: -31836,-35046 -31784,-34897
  rectangle net VREF1_0.2V-3.3V: -32444,-35046 -32392,-34897
  rectangle net VB3_1: -33113,-34917 -32863,-34883
  rectangle net VB3_1: -33017,-35046 -32965,-34897
  rectangle net VB4_1: -33767,-34917 -33517,-34883
  rectangle net VB4_1: -33669,-35046 -33617,-34897
  region net Net5_VOUT_0.2V-3.3V1_3: -31888,-35005 -31934,-35005 -31934,-35414 -31888,-35414
  region net Net5_VOUT_0.2V-3.3V2_3: -32495,-35005 -32541,-35005 -32541,-35423 -32495,-35423
  region net Net4_VOUT_0.2-2V1_3: -33068,-35004 -33114,-35004 -33114,-35405 -33068,-35405
  region net Net4_VOUT_0.2-2V2_3: -33720,-35004 -33766,-35004 -33766,-35418 -33720,-35418
  rectangle net Net2_3: -34404,-35414 -34358,-35005
  rectangle net PBB0.2-2V: -33321,-31432 -33271,-31279
  rectangle net PBT0.2-2V: -33949,-31430 -33899,-31277
  rectangle net NBB0.2-2V: -34574,-31429 -34524,-31278
  rectangle net VCM0.2-2V: -33318,-32415.13 -33268,-32261.13
  rectangle net NBT0.2-2V: -33947,-32417.13 -33897,-32262.13
  rectangle net 1-3V: -34570,-32417.13 -34520,-32262.13
  rectangle net 2V-5V: -34307,-35046 -34255,-34900
  rectangle net VCM0.2-2V: -33417,-32414.13 -33167,-32381.13
  rectangle net NBT0.2-2V: -34052,-32416.13 -33802,-32383.13
  rectangle net 1-3V: -34678.5,-32415.33 -34428.5,-32382.33
  rectangle net PBB0.2-2V: -33424,-31432 -33174,-31398
  rectangle net PBT0.2-2V: -34055,-31433 -33805,-31399
  rectangle net NBB0.2-2V: -34669,-31429 -34419,-31395
  rectangle net VCM1_0.2V-3.3V: -31933,-34917 -31683,-34883
  rectangle net VREF1_0.2V-3.3V: -32536,-34917 -32286,-34883
  rectangle net 2V-5V: -34405,-34917 -34155,-34883
Inner Layer 1:
  text "Silk to solder mask clearance, changed from 10 mil to 3 mil. / Minimum solder mask silver, changed from 10 to 3 mil. / Silk to silk clearance, changed from 10 mil to 3 mil. / Board outline clearance changed from 10 to 0 mil." at -31750,-30385 h60

## Silkscreen, mask and mechanical layers (free items; w line width, h text height)
Top Overlay:
  lines w10: -31115,-34095.8 -30539,-34095.8 ; -31115,-34046.8 -30539,-34046.8 ; -31115,-33996.8 -30539,-33996.8 ; -31115,-33946.8 -30539.37,-33946.8 ; -31115,-33896.8 -30539,-33896.8 ; -31115,-33845.8 -30539,-33845.8 ; -31115,-33796.8 -30539,-33796.8 ; -31115,-33746.8 -30539,-33746.8 ; -31115,-33696.8 -30539,-33696.8 ; -31115,-33646.8 -30540.37,-33646.8 ; -31115,-33596.8 -30539,-33596.8 ; -31115,-33546.8 -30539,-33546.8 ; -31115,-33496.8 -30539,-33496.8 ; -31115,-33446.8 -30539,-33446.8 ; -31115,-33396.8 -30539,-33396.8 ; -31115,-33346.8 -30539,-33346.8 ; -31115,-33296.8 -30539,-33296.8 ; -31115,-33245.8 -30539,-33245.8 ; -31115,-33195.8 -30539,-33195.8 ; -31115,-33145.8 -30539,-33145.8 ; -31115,-33096.8 -30539,-33096.8 ; -31115,-33046.8 -30539,-33046.8 ; -31115,-32996.8 -30539,-32996.8 ; -31115,-32946.8 -30539,-32946.8 ; -31115,-32896.8 -30539,-32896.8 ; -31115,-32846.8 -30539,-32846.8 ; -31115,-32796.8 -30539,-32796.8 ; -31115,-32747.8 -30539,-32747.8 ; -31115,-32696.8 -30539,-32696.8 ; -31115,-32645.8 -30539,-32645.8 ; -31115,-32596.8 -30539,-32596.8 ; -31115,-32546.8 -30539,-32546.8 ; -31115,-32496.8 -30539,-32496.8 ; -31115,-32446.8 -30539,-32446.8 ; -31115,-32396.8 -30539,-32396.8 ; -31115,-32345.8 -30539,-32345.8 ; -31115,-32295.8 -30539,-32295.8 ; -31115,-32245.8 -30539,-32245.8 ; -31115,-32196 -30539,-32196 ; -31027,-34243 -31027,-32050 ; -30977,-34243 -30977,-32048 ; -30927,-34243 -30927,-32047 ; -30877,-34243 -30877,-32046 ; -30827,-34243 -30827,-32049 ; -30777,-34243 -30777,-32050 ; -30727,-34243 -30727,-32048 ; -30677,-34243 -30677,-32051 ; -30626,-34243 -30626,-32048
  text "POWER" at -31664,-30832 h20
  text "GND" at -35416,-30920 h20
  text "GND" at -31664,-30927 h20
  text "GND" at -31664,-31031 h20
  text "ADC_VIN" at -35416,-31060.67 h20
  text "GND" at -34676,-31227 h20
  text "GND" at -34051,-31227 h20
  text "GND" at -33422,-31227 h20
  text "TIA_VIN" at -35416,-31671.67 h20
  text "GND" at -35416,-31814 h20
  text "FMC" at -31110,-31979 h30
  text "A" at -31060,-32133 h20
  text "B" at -31009.04,-32133 h20
  text "C" at -30958.07,-32133 h20
  text "D" at -30907.11,-32133 h20
  text "E" at -30856.15,-32133 h20
  text "F" at -30805.19,-32133 h20
  text "G" at -30754.22,-32133 h20
  text "H" at -30703.26,-32133 h20
  text "I" at -30652.3,-32133 h20
  text "J" at -30608,-32133 h20
  text "1" at -31105,-32181 h20
  text "GND" at -34671,-32215 h20
  text "GND" at -34047,-32215 h20
  text "GND" at -33422,-32215 h20
  text "GND" at -32169,-32231 h20
  text "2" at -31105,-32230.9 h20
  text "3" at -31105,-32280.8 h20
  text "4" at -31105,-32330.69 h20
  text "GND" at -35416,-32366 h20
  text "VDD" at -32169,-32371 h20
  text "5" at -31105,-32380.59 h20
  text "6" at -31105,-32430.49 h20
  text "7" at -31105,-32480.39 h20
  text "TIA_VIP" at -35416,-32509.67 h20
  text "8" at -31105,-32530.28 h20
  text "9" at -31105,-32580.18 h20
  text "10" at -31105,-32630.08 h20
  text "11" at -31105,-32679.98 h20
  text "12" at -31105,-32729.87 h20
  text "13" at -31105,-32779.77 h20
  text "14" at -31105,-32829.67 h20
  text "15" at -31105,-32879.57 h20
  text "16" at -31105,-32929.46 h20
  text "17" at -31105,-32979.36 h20
  text "18" at -31105,-33029.26 h20
  text "GND" at -35416,-33079 h20
  text "19" at -31105,-33079.15 h20
  text "20" at -31105,-33129.05 h20
  text "21" at -31105,-33178.95 h20
  text "22" at -31105,-33228.85 h20
  text "TIA_VOUT" at -35416,-33233.67 h20
  text "23" at -31105,-33278.74 h20
  text "24" at -31105,-33330 h20
  text "25" at -31105,-33380 h20
  text "26" at -31105,-33430 h20
  text "27" at -31105,-33480 h20
  text "28" at -31105,-33530 h20
  text "29" at -31105,-33580 h20
  text "30" at -31105,-33630 h20
  text "31" at -31105,-33680 h20
  text "32" at -31105,-33730 h20
  text "33" at -31105,-33780 h20
  text "GND" at -35416,-33788 h20
  text "34" at -31105,-33830 h20
  text "35" at -31105,-33880 h20
  text "36" at -31105,-33930 h20
  text "DAC_TDAC_OUT1" at -35416,-33942.67 h20
  text "37" at -31105,-33980 h20
  text "38" at -31105,-34030 h20
  text "39" at -31105,-34080 h20
  text "40" at -31105,-34130 h20
  text "GND" at -35416,-34478 h20
  text "DAC_TBUFFER_OUT1" at -35416,-34625.67 h20
  text "GND" at -34207,-35122 h20
  text "GND" at -33567,-35122 h20
  text "GND" at -32915,-35122 h20
  text "GND" at -32342,-35122 h20
  text "GND" at -31736,-35122 h20
  text "GND" at -35416,-35187 h20
  text "DAC_VDAC1" at -35416,-35326.67 h20

## Text inside footprints (layer, text, board x,y; h text height)
J1: Mechanical 3 "Board Edge" at -35910.36,-31403.39 h30 r90
J2: Mechanical 3 "Board Edge" at -35912.18,-32100.39 h30 r90
J3: Mechanical 3 "Board Edge" at -35911.94,-32853.39 h30 r90
J4: Mechanical 3 "Board Edge" at -35912.18,-33571.89 h30 r90
J5: Mechanical 3 "Board Edge" at -35912.18,-34282.39 h30 r90
J6: Mechanical 3 "Board Edge" at -35910.36,-35673.39 h30 r90
J7: Mechanical 3 "Board Edge" at -35912.17,-34970.39 h30 r90
U1: Top Overlay "*" at -31701,-31939.5 h30 r90; Mechanical 13 "*" at -31837,-31864.5 h30 r90